# KiCad board Wrap030-ITX.kicad_pcb (continued)
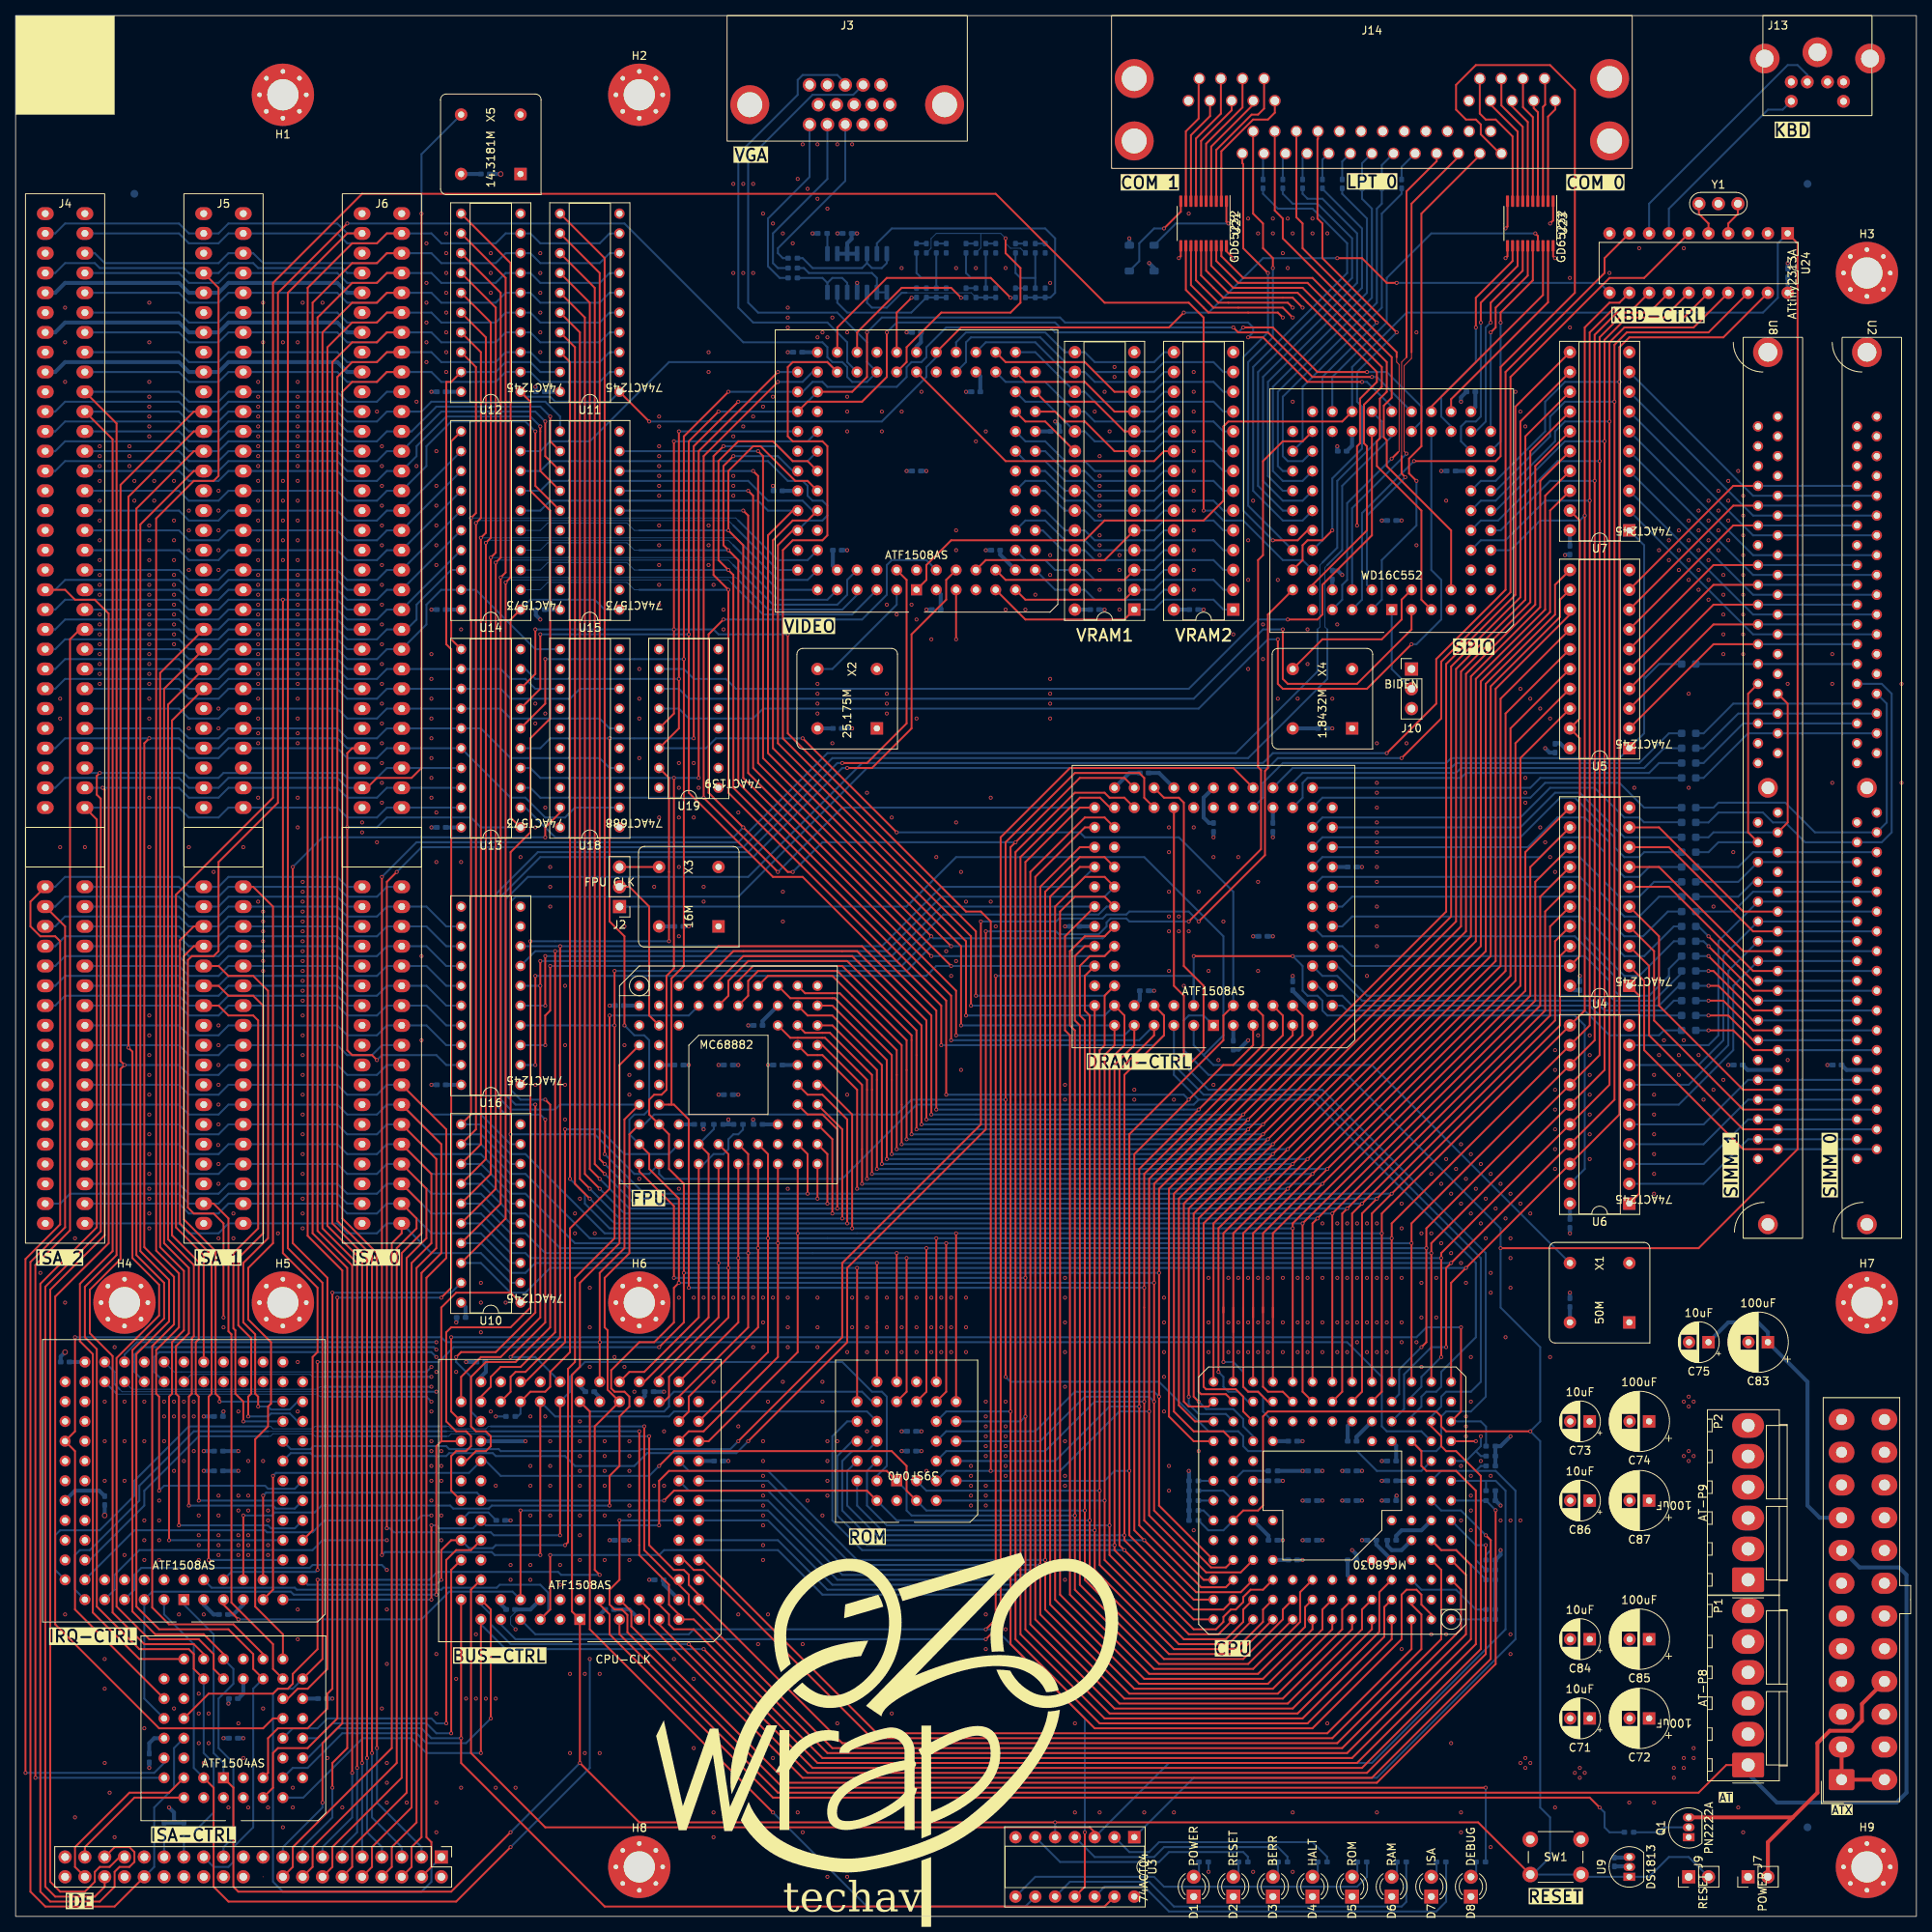
[diagram p0: board, top side]
## Placement (name value [footprint] x y rotation side) (continued)
U10  74ACT245  [DIP-20_W7.62mm_Socket#2]  64.77 78.74 180 top
U11  74ACT245  [DIP-20_W7.62mm_Socket#2]  77.47 195.58 180 top
U12  74ACT245  [DIP-20_W7.62mm_Socket#2]  64.77 195.58 180 top
U13  74ACT573  [DIP-20_W7.62mm_Socket#2]  64.77 139.7 180 top
U14  74ACT573  [DIP-20_W7.62mm_Socket#2]  64.77 167.64 180 top
U15  74ACT573  [DIP-20_W7.62mm_Socket#2]  77.47 167.64 180 top
U16  74ACT245  [DIP-20_W7.62mm_Socket#2]  64.77 106.68 180 top
U17  ATF1504AS  [PLCC-44_THT-Socket]  26.67 17.78 180 top
U18  74ACT688  [DIP-20_W7.62mm_Socket#2]  77.47 139.7 180 top
U19  74ACT139  [DIP-16_W7.62mm_Socket]  90.17 144.78 180 top
U20  WD16C552  [PLCC-68_THT-Socket]  176.53 167.64 180 top
U21  GD65232  [TSSOP-20_4.4x6.5mm_P0.65mm]  152.4 217.17 270 top
U23  GD65232  [TSSOP-20_4.4x6.5mm_P0.65mm]  194.31 217.17 270 top
U24  ATtiny2313A  [DIP-20_W7.62mm]  227.33 215.9 270 top
U32  ATF1508AS  [PLCC-84_THT-Socket]  21.59 40.64 180 top
VBUF1  ADA4891-4  [SOIC-14_3.9x8.7mm_P1.27mm]  107.95 210.82 270 bottom
VGEN1  ATF1508AS  [PLCC-84_THT-Socket]  115.57 170.18 180 top
VRAM1  CY62256-70PC  [DIP-28_W7.62mm_Socket]  143.51 167.64 180 top
VRAM2  CY62256-70PC  [DIP-28_W7.62mm_Socket]  156.21 167.64 180 top
X1  50M  [Oscillator_DIP-8]  207.01 76.2 90 top
X2  25.175M  [Oscillator_DIP-8]  110.49 152.4 90 top
X3  16M  [Oscillator_DIP-8]  90.17 127 90 top
X4  1.8432M  [Oscillator_DIP-8]  171.45 152.4 90 top
X5  14.3181M  [Oscillator_DIP-8]  64.77 223.52 90 top
Y1  16M  [Resonator-3Pin_W7.0mm_H2.5mm]  215.94 219.71 0 top

## Library data of the parts
C1-C12 C14 C16 C17 C20-C39 C43-C50 C52-C63 C66 C68-C70 C76-C82 C88-C91 C101 C110 C112-C117 = -: Description: Unpolarized capacitor, small symbol; JLC-Part: https://jlcpcb.com/partdetail/1877-CL05B104KO5NNNC/C1525
C13 C15 C18 C19 C40-C42 C51 C64 C65 C67 C92 C111 = -: Description: Unpolarized capacitor, small symbol; JLC-Part: https://jlcpcb.com/partdetail/53938-CL05A105KA5NQNC/C52923
C71-C75 C83-C87 = -: Description: Polarized capacitor, US symbol
C93-C100 = -: Description: Unpolarized capacitor, small symbol; JLC-Part: https://jlcpcb.com/partdetail/1883-0402B222K500NT/C1531
CPU1 = -: Description: Second-Generation 32-bit Enhanced Microprocessor
D1-D8 = -: Description: Light emitting diode
D9 D10 = -: Description: 400V 1A General Purpose Rectifier Diode, DO-41; JLC-Part: https://jlcpcb.com/partdetail/st_semtech-1N4148W/C81598; Sim.Device: D; Sim.Pins: 1=K 2=A
FID1-FID3 = -: Description: Fiducial Marker
H1-H9 = -: Description: Mounting Hole with connection
IDE0 = -: Description: Generic connector, double row, 02x20, odd/even pin numbering scheme (row 1 odd numbers, row 2 even numbers), script generated (kicad-library-utils/schlib/autogen/connector/)
J2 J10 = -: Description: Generic connector, single row, 01x03, script generated (kicad-library-utils/schlib/autogen/connector/)
J3 = -: Description: 15-pin female receptacle socket D-SUB connector, High density (3 columns), Triple Row, Generic, VGA-connector, Mounting Hole; Mouser-Part: 587-634-015-263-030
J4-J6 = -: Description: 16-bit ISA-AT bus connector
J7 J9 = -: Description: Generic connector, single row, 01x02, script generated (kicad-library-utils/schlib/autogen/connector/)
J8 = -: Description: ATX Power supply 24pins
J13 = -: Description: 6-pin miniDIN connector with Shield connection; Mouser-Part: 571-5749266-1
J14 = -: Description: 9, 9, 25 Position D-Sub - Stacked Plug, Male Pins; Receptacle, Female Sockets Connector
P1 P2 = -: Description: Generic connector, single row, 01x06, script generated (kicad-library-utils/schlib/autogen/connector/)
Q1 = -: Description: NPN transistor, emitter/base/collector
R1-R3 = -: Description: Resistor, small US symbol; JLC-Part: https://jlcpcb.com/partdetail/26487-0402WGF1002TCE/C25744
R4-R12 = -: Description: Resistor, small US symbol; JLC-Part: https://jlcpcb.com/partdetail/25834-0402WGF2200TCE/C25091
R13-R30 R52-R75 = -: Description: Resistor, small US symbol; JLC-Part: https://jlcpcb.com/partdetail/12256-0402WGF1001TCE/C11702
R31-R51 = -: Description: Resistor, small US symbol; JLC-Part: https://jlcpcb.com/partdetail/23867-0603WAF330JT5E/C23140
R76-R79 = -: Description: Resistor, small US symbol; JLC-Part: https://jlcpcb.com/partdetail/25876-0402WGF750JTCE/C25133
ROM1 = -: Description: Silicon Storage Technology (SSF) 512k x 8 Flash ROM
SW1 = -: Description: Push button switch, generic, two pins
U2 U8 = -: Description: 72-Pin SIMM Connector
U3 = -: Description: Hex Inverter
U4-U7 U10-U12 U16 = -: Description: Octal BUS Transceivers, 3-State outputs
U9 = -: Description: 5V EconoReset with Pushbutton support; Mouser-Part: 700-DS1813-5T&R
U13-U15 = -: Description: 8-bit Latch 3-state outputs
U17 = -: Description: CPLD 64 Logic Cells
U18 = -: Description: 8-bit magnitude comparator
U19 = -: Description: Dual Decoder 1 of 4, Active low outputs
U20 = -: Description: Dual Enhanced Asynchronous Communications Element (ACE) with Parallel Port
U21 U23 = -: Description: Multiple RS-232 Driver and Receiver, TSSOP-20
U24 = -: Description: 20MHz, 2kB Flash, 128B SRAM, 128B EEPROM, debugWIRE, DIP-20; Mouser-Part: 556-ATTINY2313A-PU
VBUF1 = -: Description: Low Cost CMOS, High Speed, Rail-to-Rail Amplifier (Quad)
VRAM1 VRAM2 = -: Description: 256K (32K x 8) Static RAM, 70ns, DIP-28
X1-X4 = -: Description: Crystal Clock Oscillator, DIP8-style metal package
X5 = -: Description: Crystal Clock Oscillator, DIP8-style metal package; Mouser-Part: ECS-2100AX-14.31818MHZ
Y1 = -: Description: Three pin ceramic resonator, small symbol

## Footprints (pads in the part's own frame, mm; a bottom-side part is the same pattern mirrored in y, then rotated)
C_0402_1005Metric_Pad0.74x0.62mm_HandSolder
  rrect 0.735x0.62 smd: 1(-0.568,0) 2(0.568,0)
CP_Radial_D5.0mm_P2.50mm
  rect 1.6x1.6 hole 0.8: 1(0,0)
  round 1.6 hole 0.8: 2(2.5,0)
CP_Radial_D7.5mm_P2.50mm
  rect 1.6x1.6 hole 0.8: 1(0,0)
  round 1.6 hole 0.8: 2(2.5,0)
D_SOD-123
  rrect 0.9x1.2 smd: 1(-1.65,0) 2(1.65,0)
DE15-HD
  round 5 hole 3.2: 0(-12.495,-11.43) 0(12.495,-11.43)
  round 1.75 hole 1.1: 1(-4.83,-13.97) 2(-2.54,-13.97) 3(-0.25,-13.97) 4(2.04,-13.97) 5(4.33,-13.97) 6(-3.685,-11.43) 7(-1.395,-11.43) 8(0.895,-11.43) 9(3.185,-11.43) 10(5.475,-11.43) 11(-4.83,-8.89) 12(-2.54,-8.89) 13(-0.25,-8.89) 14(2.04,-8.89) 15(4.33,-8.89)
DIP-14_W7.62mm_Socket
  rect 1.6x1.6 hole 0.8: 1(0,0)
  oval 1.6x1.6 hole 0.8: 2(0,-2.54) 3(0,-5.08) 4(0,-7.62) 5(0,-10.16) 6(0,-12.7) 7(0,-15.24) 8(7.62,-15.24) 9(7.62,-12.7) 10(7.62,-10.16) 11(7.62,-7.62) 12(7.62,-5.08) 13(7.62,-2.54) 14(7.62,0)
DIP-16_W7.62mm_Socket
  round 1.321 hole 0.813: 1(0,0) 2(0,-2.54) 3(0,-5.08) 4(0,-7.62) 5(0,-10.16) 6(0,-12.7) 7(0,-15.24) 8(0,-17.78) 9(7.62,-17.78) 10(7.62,-15.24) 11(7.62,-12.7) 12(7.62,-10.16) 13(7.62,-7.62) 14(7.62,-5.08) 15(7.62,-2.54) 16(7.62,0)
DIP-20_W7.62mm
  rect 1.6x1.6 hole 0.8: 1(0,0)
  oval 1.6x1.6 hole 0.8: 2(0,-2.54) 3(0,-5.08) 4(0,-7.62) 5(0,-10.16) 6(0,-12.7) 7(0,-15.24) 8(0,-17.78) 9(0,-20.32) 10(0,-22.86) 11(7.62,-22.86) 12(7.62,-20.32) 13(7.62,-17.78) 14(7.62,-15.24) 15(7.62,-12.7) 16(7.62,-10.16) 17(7.62,-7.62) 18(7.62,-5.08) 19(7.62,-2.54) 20(7.62,0)
DIP-20_W7.62mm_Socket
  rect 1.6x1.6 hole 0.8: 1(0,0)
  oval 1.6x1.6 hole 0.8: 2(0,-2.54) 3(0,-5.08) 4(0,-7.62) 5(0,-10.16) 6(0,-12.7) 7(0,-15.24) 8(0,-17.78) 9(0,-20.32) 10(0,-22.86) 11(7.62,-22.86) 12(7.62,-20.32) 13(7.62,-17.78) 14(7.62,-15.24) 15(7.62,-12.7) 16(7.62,-10.16) 17(7.62,-7.62) 18(7.62,-5.08) 19(7.62,-2.54) 20(7.62,0)
DIP-20_W7.62mm_Socket#2
  round 1.321 hole 0.813: 1(0,0) 2(0,-2.54) 3(0,-5.08) 4(0,-7.62) 5(0,-10.16) 6(0,-12.7) 7(0,-15.24) 8(0,-17.78) 9(0,-20.32) 10(0,-22.86) 11(7.62,-22.86) 12(7.62,-20.32) 13(7.62,-17.78) 14(7.62,-15.24) 15(7.62,-12.7) 16(7.62,-10.16) 17(7.62,-7.62) 18(7.62,-5.08) 19(7.62,-2.54) 20(7.62,0)
DIP-28_W7.62mm_Socket
  rect 1.6x1.6 hole 0.8: 1(0,0)
  oval 1.6x1.6 hole 0.8: 2(0,-2.54) 3(0,-5.08) 4(0,-7.62) 5(0,-10.16) 6(0,-12.7) 7(0,-15.24) 8(0,-17.78) 9(0,-20.32) 10(0,-22.86) 11(0,-25.4) 12(0,-27.94) 13(0,-30.48) 14(0,-33.02) 15(7.62,-33.02) 16(7.62,-30.48) 17(7.62,-27.94) 18(7.62,-25.4) 19(7.62,-22.86) 20(7.62,-20.32) 21(7.62,-17.78) 22(7.62,-15.24) 23(7.62,-12.7) 24(7.62,-10.16) 25(7.62,-7.62) 26(7.62,-5.08) 27(7.62,-2.54) 28(7.62,0)
Fiducial_1mm_Mask2mm
  round 1 smd: (0,0)
ISA16
  oval 2.159x1.651 hole 0.889: 1(0,0) 2(0,-2.54) 3(0,-5.08) 4(0,-7.62) 5(0,-10.16) 6(0,-12.7) 7(0,-15.24) 8(0,-17.78) 9(0,-20.32) 10(0,-22.86) 11(0,-25.4) 12(0,-27.94) 13(0,-30.48) 14(0,-33.02) 15(0,-35.56) 16(0,-38.1) 17(0,-40.64) 18(0,-43.18) 19(0,-45.72) 20(0,-48.26) 21(0,-50.8) 22(0,-53.34) 23(0,-55.88) 24(0,-58.42) 25(0,-60.96) 26(0,-63.5) 27(0,-66.04) 28(0,-68.58) 29(0,-71.12) 30(0,-73.66) 31(0,-76.2) 32(5.08,0) 33(5.08,-2.54) 34(5.08,-5.08) 35(5.08,-7.62) 36(5.08,-10.16) 37(5.08,-12.7) 38(5.08,-15.24) 39(5.08,-17.78) 40(5.08,-20.32) 41(5.08,-22.86) 42(5.08,-25.4) 43(5.08,-27.94) 44(5.08,-30.48) 45(5.08,-33.02) 46(5.08,-35.56) 47(5.08,-38.1) 48(5.08,-40.64) 49(5.08,-43.18) 50(5.08,-45.72) 51(5.08,-48.26) 52(5.08,-50.8) 53(5.08,-53.34) 54(5.08,-55.88) 55(5.08,-58.42) 56(5.08,-60.96) 57(5.08,-63.5) 58(5.08,-66.04) 59(5.08,-68.58) 60(5.08,-71.12) 61(5.08,-73.66) 62(5.08,-76.2) 63(0,-86.36) 64(0,-88.9) 65(0,-91.44) 66(0,-93.98) 67(0,-96.52) 68(0,-99.06) 69(0,-101.6) 70(0,-104.14) 71(0,-106.68) 72(0,-109.22) 73(0,-111.76) 74(0,-114.3) 75(0,-116.84) 76(0,-119.38) 77(0,-121.92) 78(0,-124.46) 79(0,-127) 80(0,-129.54) 81(5.08,-86.36) 82(5.08,-88.9) 83(5.08,-91.44) 84(5.08,-93.98) 85(5.08,-96.52) 86(5.08,-99.06) 87(5.08,-101.6) 88(5.08,-104.14) 89(5.08,-106.68) 90(5.08,-109.22) 91(5.08,-111.76) 92(5.08,-114.3) 93(5.08,-116.84) 94(5.08,-119.38) 95(5.08,-121.92) 96(5.08,-124.46) 97(5.08,-127) 98(5.08,-129.54)
L17H26R0121
  round 5 hole 3.2: 0(-30.49,-8.08) 0(-30.49,-16.08) 0(30.49,-8.08) 0(30.49,-16.08)
  round 1.5 hole 1.1: A1(23.53,-10.92) A2(20.76,-10.92) A3(17.99,-10.92) A4(15.22,-10.92) A5(12.45,-10.92) A6(22.15,-8.08) A7(19.38,-8.08) A8(16.61,-8.08) A9(13.84,-8.08) B1(-12.45,-10.92) B2(-15.22,-10.92) B3(-17.99,-10.92) B4(-20.76,-10.92) B5(-23.53,-10.92) B6(-13.83,-8.08) B7(-16.6,-8.08) B8(-19.37,-8.08) B9(-22.14,-8.08) C1(-16.62,-17.68) C2(-13.85,-17.68) C3(-11.08,-17.68) C4(-8.31,-17.68) C5(-5.54,-17.68) C6(-2.77,-17.68) C7(0,-17.68) C8(2.77,-17.68) C9(5.54,-17.68) C10(8.31,-17.68) C11(11.08,-17.68) C12(13.85,-17.68) C13(16.62,-17.68) C14(-15.23,-14.84) C15(-12.46,-14.84) C16(-9.69,-14.84) C17(-6.92,-14.84) C18(-4.15,-14.84) C19(-1.38,-14.84) C20(1.39,-14.84) C21(4.16,-14.84) C22(6.93,-14.84) C23(9.7,-14.84) C24(12.47,-14.84) C25(15.24,-14.84)
LED_D3.0mm
  rect 1.8x1.8 hole 0.9: 1(0,0)
  round 1.8 hole 0.9: 2(2.54,0)
MiniDIN6
  round 3.81 hole 2.286: 0(-6.756,-5.512) 0(0,-4.699) 0(6.756,-5.512)
  round 1.651 hole 0.889: 1(-1.295,-8.509) 2(1.295,-8.509) 3(-3.353,-8.509) 4(3.353,-8.509) 5(-3.353,-10.998) 6(3.353,-10.998)
Molex_KK-396_A-41791-0006_1x06_P3.96mm_Vertical
  rrect 3.16x4.1 hole 1.7: 1(0,0)
  oval 3.16x4.1 hole 1.7: 2(3.96,0) 3(7.92,0) 4(11.88,0) 5(15.84,0) 6(19.8,0)
Molex_Mini-Fit_Jr_5566-24A_2x12_P4.20mm_Vertical
  rrect 2.7x3.3 hole 1.4: 1(0,0)
  oval 2.7x3.3 hole 1.4: 2(4.2,0) 3(8.4,0) 4(12.6,0) 5(16.8,0) 6(21,0) 7(25.2,0) 8(29.4,0) 9(33.6,0) 10(37.8,0) 11(42,0) 12(46.2,0) 13(0,-5.5) 14(4.2,-5.5) 15(8.4,-5.5) 16(12.6,-5.5) 17(16.8,-5.5) 18(21,-5.5) 19(25.2,-5.5) 20(29.4,-5.5) 21(33.6,-5.5) 22(37.8,-5.5) 23(42,-5.5) 24(46.2,-5.5)
MountingHole_4mm_Pad_Via
  round 0.9 hole 0.6: 1(-3,0) 1(-2.121,2.121) 1(-2.121,-2.121) 1(0,3) 1(0,-3) 1(2.121,2.121) 1(2.121,-2.121) 1(3,0)
  round 8 hole 4: 1(0,0)
Oscillator_DIP-8
  rect 1.6x1.6 hole 0.8: 1(0,0)
  round 1.6 hole 0.8: 4(7.62,0) 5(7.62,7.62) 8(0,7.62)
PGA68
  round 1.321 hole 0.813: A1(-11.43,11.43) A2(-8.89,11.43) A3(-6.35,11.43) A4(-3.81,11.43) A5(-1.27,11.43) A6(1.27,11.43) A7(3.81,11.43) A8(6.35,11.43) A9(8.89,11.43) A10(11.43,11.43) B1(-11.43,8.89) B2(-8.89,8.89) B3(-6.35,8.89) B4(-3.81,8.89) B5(-1.27,8.89) B6(1.27,8.89) B7(3.81,8.89) B8(6.35,8.89) B9(8.89,8.89) B10(11.43,8.89) C1(-11.43,6.35) C2(-8.89,6.35) C3(-6.35,6.35) C8(6.35,6.35) C9(8.89,6.35) C10(11.43,6.35) D1(-11.43,3.81) D2(-8.89,3.81) D9(8.89,3.81) D10(11.43,3.81) E1(-11.43,1.27) E2(-8.89,1.27) E9(8.89,1.27) E10(11.43,1.27) F1(-11.43,-1.27) F2(-8.89,-1.27) F9(8.89,-1.27) F10(11.43,-1.27) G1(-11.43,-3.81) G2(-8.89,-3.81) G9(8.89,-3.81) G10(11.43,-3.81) H1(-11.43,-6.35) H2(-8.89,-6.35) H3(-6.35,-6.35) H8(6.35,-6.35) H9(8.89,-6.35) H10(11.43,-6.35) J1(-11.43,-8.89) J2(-8.89,-8.89) J3(-6.35,-8.89) J4(-3.81,-8.89) J5(-1.27,-8.89) J6(1.27,-8.89) J7(3.81,-8.89) J8(6.35,-8.89) J9(8.89,-8.89) J10(11.43,-8.89) K1(-11.43,-11.43) K2(-8.89,-11.43) K3(-6.35,-11.43) K4(-3.81,-11.43) K5(-1.27,-11.43) K6(1.27,-11.43) K7(3.81,-11.43) K8(6.35,-11.43) K9(8.89,-11.43) K10(11.43,-11.43)
PGA128
  round 1.27 hole 0.762: A1(-15.24,15.24) A2(-12.7,15.24) A3(-10.16,15.24) A4(-7.62,15.24) A5(-5.08,15.24) A6(-2.54,15.24) A7(0,15.24) A8(2.54,15.24) A9(5.08,15.24) A10(7.62,15.24) A11(10.16,15.24) A12(12.7,15.24) A13(15.24,15.24) B1(-15.24,12.7) B2(-12.7,12.7) B3(-10.16,12.7) B4(-7.62,12.7) B5(-5.08,12.7) B6(-2.54,12.7) B7(0,12.7) B8(2.54,12.7) B9(5.08,12.7) B10(7.62,12.7) B11(10.16,12.7) B12(12.7,12.7) B13(15.24,12.7) C1(-15.24,10.16) C2(-12.7,10.16) C3(-10.16,10.16) C4(-7.62,10.16) C5(-5.08,10.16) C6(-2.54,10.16) C7(0,10.16) C8(2.54,10.16) C9(5.08,10.16) C10(7.62,10.16) C11(10.16,10.16) C12(12.7,10.16) C13(15.24,10.16) D1(-15.24,7.62) D2(-12.7,7.62) D3(-10.16,7.62) D4(-7.62,7.62) D5(-5.08,7.62) D10(7.62,7.62) D11(10.16,7.62) D12(12.7,7.62) D13(15.24,7.62) E1(-15.24,5.08) E2(-12.7,5.08) E3(-10.16,5.08) E11(10.16,5.08) E12(12.7,5.08) E13(15.24,5.08) F1(-15.24,2.54) F2(-12.7,2.54) F3(-10.16,2.54) F4(-7.62,2.54) F10(7.62,2.54) F11(10.16,2.54) F12(12.7,2.54) F13(15.24,2.54) G1(-15.24,0) G2(-12.7,0) G3(-10.16,0) G11(10.16,0) G12(12.7,0) G13(15.24,0) H1(-15.24,-2.54) H2(-12.7,-2.54) H3(-10.16,-2.54) H11(10.16,-2.54) H12(12.7,-2.54) H13(15.24,-2.54) J1(-15.24,-5.08) J2(-12.7,-5.08) J3(-10.16,-5.08) J11(10.16,-5.08) J12(12.7,-5.08) J13(15.24,-5.08) K1(-15.24,-7.62) K2(-12.7,-7.62) K3(-10.16,-7.62) K4(-7.62,-7.62) K5(-5.08,-7.62) K10(7.62,-7.62) K11(10.16,-7.62) K12(12.7,-7.62) K13(15.24,-7.62) L1(-15.24,-10.16) L2(-12.7,-10.16) L3(-10.16,-10.16) L4(-7.62,-10.16) L5(-5.08,-10.16) L6(-2.54,-10.16) L7(0,-10.16) L8(2.54,-10.16) L9(5.08,-10.16) L10(7.62,-10.16) L11(10.16,-10.16) L12(12.7,-10.16) L13(15.24,-10.16) M1(-15.24,-12.7) M2(-12.7,-12.7) M3(-10.16,-12.7) M4(-7.62,-12.7) M5(-5.08,-12.7) M6(-2.54,-12.7) M7(0,-12.7) M8(2.54,-12.7) M9(5.08,-12.7) M10(7.62,-12.7) M11(10.16,-12.7) M12(12.7,-12.7) M13(15.24,-12.7) N1(-15.24,-15.24) N2(-12.7,-15.24) N3(-10.16,-15.24) N4(-7.62,-15.24) N5(-5.08,-15.24) N6(-2.54,-15.24) N7(0,-15.24) N8(2.54,-15.24) N9(5.08,-15.24) N10(7.62,-15.24) N11(10.16,-15.24) N12(12.7,-15.24) N13(15.24,-15.24)
PinHeader_1x02_P2.54mm_Vertical
  rect 1.7x1.7 hole 1: 1(0,0)
  oval 1.7x1.7 hole 1: 2(0,-2.54)
PinHeader_1x03_P2.54mm_Vertical
  rect 1.7x1.7 hole 1: 1(0,0)
  oval 1.7x1.7 hole 1: 2(0,-2.54) 3(0,-5.08)
PinHeader_2x20_P2.54mm_Vertical
  rect 1.7x1.7 hole 1: 1(0,0)
  oval 1.7x1.7 hole 1: 2(2.54,0) 3(0,-2.54) 4(2.54,-2.54) 5(0,-5.08) 6(2.54,-5.08) 7(0,-7.62) 8(2.54,-7.62) 9(0,-10.16) 10(2.54,-10.16) 11(0,-12.7) 12(2.54,-12.7) 13(0,-15.24) 14(2.54,-15.24) 15(0,-17.78) 16(2.54,-17.78) 17(0,-20.32) 18(2.54,-20.32) 19(0,-22.86) 21(0,-25.4) 22(2.54,-25.4) 23(0,-27.94) 24(2.54,-27.94) 25(0,-30.48) 26(2.54,-30.48) 27(0,-33.02) 28(2.54,-33.02) 29(0,-35.56) 30(2.54,-35.56) 31(0,-38.1) 32(2.54,-38.1) 33(0,-40.64) 34(2.54,-40.64) 35(0,-43.18) 36(2.54,-43.18) 37(0,-45.72) 38(2.54,-45.72) 39(0,-48.26) 40(2.54,-48.26)
  round 0.127 smd: 20(2.54,-22.86)
PLCC-32_THT-Socket
  rect 1.422x1.422 hole 0.8: 1(0,0)
  round 1.422 hole 0.8: 2(-2.54,2.54) 3(-2.54,0) 4(-5.08,2.54) 5(-7.62,0) 6(-5.08,0) 7(-7.62,-2.54) 8(-5.08,-2.54) 9(-7.62,-5.08) 10(-5.08,-5.08) 11(-7.62,-7.62) 12(-5.08,-7.62) 13(-7.62,-10.16) 14(-5.08,-12.7) 15(-5.08,-10.16) 16(-2.54,-12.7) 17(-2.54,-10.16) 18(0,-12.7) 19(0,-10.16) 20(2.54,-12.7) 21(5.08,-10.16) 22(2.54,-10.16) 23(5.08,-7.62) 24(2.54,-7.62) 25(5.08,-5.08) 26(2.54,-5.08) 27(5.08,-2.54) 28(2.54,-2.54) 29(5.08,0) 30(2.54,2.54) 31(2.54,0) 32(0,2.54)
PLCC-44_THT-Socket
  rect 1.422x1.422 hole 0.8: 1(0,0)
  round 1.422 hole 0.8: 2(-2.54,2.54) 3(-2.54,0) 4(-5.08,2.54) 5(-5.08,0) 6(-7.62,2.54) 7(-10.16,0) 8(-7.62,0) 9(-10.16,-2.54) 10(-7.62,-2.54) 11(-10.16,-5.08) 12(-7.62,-5.08) 13(-10.16,-7.62) 14(-7.62,-7.62) 15(-10.16,-10.16) 16(-7.62,-10.16) 17(-10.16,-12.7) 18(-7.62,-15.24) 19(-7.62,-12.7) 20(-5.08,-15.24) 21(-5.08,-12.7) 22(-2.54,-15.24) 23(-2.54,-12.7) 24(0,-15.24) 25(0,-12.7) 26(2.54,-15.24) 27(2.54,-12.7) 28(5.08,-15.24) 29(7.62,-12.7) 30(5.08,-12.7) 31(7.62,-10.16) 32(5.08,-10.16) 33(7.62,-7.62) 34(5.08,-7.62) 35(7.62,-5.08) 36(5.08,-5.08) 37(7.62,-2.54) 38(5.08,-2.54) 39(7.62,0) 40(5.08,2.54) 41(5.08,0) 42(2.54,2.54) 43(2.54,0) 44(0,2.54)
PLCC-68_THT-Socket
  rect 1.422x1.422 hole 0.8: 1(0,0)
  round 1.422 hole 0.8: 2(0,-2.54) 3(-2.54,0) 4(-2.54,-2.54) 5(-5.08,0) 6(-5.08,-2.54) 7(-7.62,0) 8(-7.62,-2.54) 9(-10.16,0) 10(-12.7,-2.54) 11(-10.16,-2.54) 12(-12.7,-5.08) 13(-10.16,-5.08) 14(-12.7,-7.62) 15(-10.16,-7.62) 16(-12.7,-10.16) 17(-10.16,-10.16) 18(-12.7,-12.7) 19(-10.16,-12.7) 20(-12.7,-15.24) 21(-10.16,-15.24) 22(-12.7,-17.78) 23(-10.16,-17.78) 24(-12.7,-20.32) 25(-10.16,-20.32) 26(-12.7,-22.86) 27(-10.16,-25.4) 28(-10.16,-22.86) 29(-7.62,-25.4) 30(-7.62,-22.86) 31(-5.08,-25.4) 32(-5.08,-22.86) 33(-2.54,-25.4) 34(-2.54,-22.86) 35(0,-25.4) 36(0,-22.86) 37(2.54,-25.4) 38(2.54,-22.86) 39(5.08,-25.4) 40(5.08,-22.86) 41(7.62,-25.4) 42(7.62,-22.86) 43(10.16,-25.4) 44(12.7,-22.86) 45(10.16,-22.86) 46(12.7,-20.32) 47(10.16,-20.32) 48(12.7,-17.78) 49(10.16,-17.78) 50(12.7,-15.24) 51(10.16,-15.24) 52(12.7,-12.7) 53(10.16,-12.7) 54(12.7,-10.16) 55(10.16,-10.16) 56(12.7,-7.62) 57(10.16,-7.62) 58(12.7,-5.08) 59(10.16,-5.08) 60(12.7,-2.54) 61(10.16,0) 62(10.16,-2.54) 63(7.62,0) 64(7.62,-2.54) 65(5.08,0) 66(5.08,-2.54) 67(2.54,0) 68(2.54,-2.54)
PLCC-84_THT-Socket
  rect 1.422x1.422 hole 0.8: 1(0,0)
  round 1.422 hole 0.8: 2(0,-2.54) 3(-2.54,0) 4(-2.54,-2.54) 5(-5.08,0) 6(-5.08,-2.54) 7(-7.62,0) 8(-7.62,-2.54) 9(-10.16,0) 10(-10.16,-2.54) 11(-12.7,0) 12(-15.24,-2.54) 13(-12.7,-2.54) 14(-15.24,-5.08) 15(-12.7,-5.08) 16(-15.24,-7.62) 17(-12.7,-7.62) 18(-15.24,-10.16) 19(-12.7,-10.16) 20(-15.24,-12.7) 21(-12.7,-12.7) 22(-15.24,-15.24) 23(-12.7,-15.24) 24(-15.24,-17.78) 25(-12.7,-17.78) 26(-15.24,-20.32) 27(-12.7,-20.32) 28(-15.24,-22.86) 29(-12.7,-22.86) 30(-15.24,-25.4) 31(-12.7,-25.4) 32(-15.24,-27.94) 33(-12.7,-30.48) 34(-12.7,-27.94) 35(-10.16,-30.48) 36(-10.16,-27.94) 37(-7.62,-30.48) 38(-7.62,-27.94) 39(-5.08,-30.48) 40(-5.08,-27.94) 41(-2.54,-30.48) 42(-2.54,-27.94) 43(0,-30.48) 44(0,-27.94) 45(2.54,-30.48) 46(2.54,-27.94) 47(5.08,-30.48) 48(5.08,-27.94) 49(7.62,-30.48) 50(7.62,-27.94) 51(10.16,-30.48) 52(10.16,-27.94) 53(12.7,-30.48) 54(15.24,-27.94) 55(12.7,-27.94) 56(15.24,-25.4) 57(12.7,-25.4) 58(15.24,-22.86) 59(12.7,-22.86) 60(15.24,-20.32) 61(12.7,-20.32) 62(15.24,-17.78) 63(12.7,-17.78) 64(15.24,-15.24) 65(12.7,-15.24) 66(15.24,-12.7) 67(12.7,-12.7) 68(15.24,-10.16) 69(12.7,-10.16) 70(15.24,-7.62) 71(12.7,-7.62) 72(15.24,-5.08) 73(12.7,-5.08) 74(15.24,-2.54) 75(12.7,0) 76(12.7,-2.54) 77(10.16,0) 78(10.16,-2.54) 79(7.62,0) 80(7.62,-2.54) 81(5.08,0) 82(5.08,-2.54) 83(2.54,0) 84(2.54,-2.54)
R_0402_1005Metric_Pad0.72x0.64mm_HandSolder
  rrect 0.715x0.64 smd: 1(-0.598,0) 2(0.598,0)
R_0603_1608Metric_Pad0.98x0.95mm_HandSolder
  rrect 0.975x0.95 smd: 1(-0.912,0) 2(0.912,0)
Resonator-3Pin_W7.0mm_H2.5mm
  round 1.7 hole 1: 1(0,0) 2(2.5,0) 3(5,0)
SIMM72
  round 3.81 hole 2.413: (-55.88,0)
  round 2.54 hole 1.626: (0,0) (56.007,0)
  round 1.321 hole 0.813: 1(47.625,-1.27) 2(46.355,1.27) 3(45.085,-1.27) 4(43.815,1.27) 5(42.545,-1.27) 6(41.275,1.27) 7(40.005,-1.27) 8(38.735,1.27) 9(37.465,-1.27) 10(36.195,1.27) 11(34.925,-1.27) 12(33.655,1.27) 13(32.385,-1.27) 14(31.115,1.27) 15(29.845,-1.27) 16(28.575,1.27) 17(27.305,-1.27) 18(26.035,1.27) 19(24.765,-1.27) 20(23.495,1.27) 21(22.225,-1.27) 22(20.955,1.27) 23(19.685,-1.27) 24(18.415,1.27) 25(17.145,-1.27) 26(15.875,1.27) 27(14.605,-1.27) 28(13.335,1.27) 29(12.065,-1.27) 30(10.795,1.27) 31(9.525,-1.27) 32(8.255,1.27) 33(6.985,-1.27) 34(5.715,1.27) 35(4.445,-1.27) 36(3.175,1.27) 37(-3.175,-1.27) 38(-4.445,1.27) 39(-5.715,-1.27) 40(-6.985,1.27) 41(-8.255,-1.27) 42(-9.525,1.27) 43(-10.795,-1.27) 44(-12.065,1.27) 45(-13.335,-1.27) 46(-14.605,1.27) 47(-15.875,-1.27) 48(-17.145,1.27) 49(-18.415,-1.27) 50(-19.685,1.27) 51(-20.955,-1.27) 52(-22.225,1.27) 53(-23.495,-1.27) 54(-24.765,1.27) 55(-26.035,-1.27) 56(-27.305,1.27) 57(-28.575,-1.27) 58(-29.845,1.27) 59(-31.115,-1.27) 60(-32.385,1.27) 61(-33.655,-1.27) 62(-34.925,1.27) 63(-36.195,-1.27) 64(-37.465,1.27) 65(-38.735,-1.27) 66(-40.005,1.27) 67(-41.275,-1.27) 68(-42.545,1.27) 69(-43.815,-1.27) 70(-45.085,1.27) 71(-46.355,-1.27) 72(-47.625,1.27)
SOIC-14_3.9x8.7mm_P1.27mm
  rrect 1.95x0.6 smd: 1(-2.475,3.81) 2(-2.475,2.54) 3(-2.475,1.27) 4(-2.475,0) 5(-2.475,-1.27) 6(-2.475,-2.54) 7(-2.475,-3.81) 8(2.475,-3.81) 9(2.475,-2.54) 10(2.475,-1.27) 11(2.475,0) 12(2.475,1.27) 13(2.475,2.54) 14(2.475,3.81)
SW_PUSH_6mm
  round 2 hole 1.1: 1(0,0) 1(6.5,0) 2(0,-4.5) 2(6.5,-4.5)
TO-92_Inline
  rect 1.05x1.5 hole 0.75: 1(0,0)
  oval 1.05x1.5 hole 0.75: 2(1.27,0) 3(2.54,0)
TO-92L_Inline
  rect 1.05x1.5 hole 0.75: 1(0,0)
  oval 1.05x1.5 hole 0.75: 2(1.27,0) 3(2.54,0)
TSSOP-20_4.4x6.5mm_P0.65mm
  rrect 1.475x0.4 smd: 1(-2.862,2.925) 2(-2.862,2.275) 3(-2.862,1.625) 4(-2.862,0.975) 5(-2.862,0.325) 6(-2.862,-0.325) 7(-2.862,-0.975) 8(-2.862,-1.625) 9(-2.862,-2.275) 10(-2.862,-2.925) 11(2.862,-2.925) 12(2.862,-2.275) 13(2.862,-1.625) 14(2.862,-0.975) 15(2.862,-0.325) 16(2.862,0.325) 17(2.862,0.975) 18(2.862,1.625) 19(2.862,2.275) 20(2.862,2.925)

## Nets
+5VP: C75.1 C83.1 J8.9
+12V: C71.1 C72.1 D9.2 J4.9 J5.9 J6.9 J8.10 J8.11 P1.3
-5V: C86.2 C87.2 J4.5 J5.5 J6.5 P2.3
-12V: C84.2 C85.2 D10.1 J4.7 J5.7 J6.7 J8.14 P1.4
GND: C1.2 C2.2 C3.2 C4.2 C5.2 C6.2 C7.2 C8.2 C9.2 C10.2 C11.2 C12.2 C13.2 C14.2 C15.2 C16.2 C17.2 C18.2 C19.2 C20.2 C21.2 C22.2 C23.2 C24.2 C25.2 C26.2 C27.2 C28.2 C29.2 C30.2 C31.2 C32.2 C33.2 C34.2 C35.2 C36.2 C37.2 C38.2 C39.2 C40.2 C41.2 C42.2 C43.2 C44.2 C45.2 C46.2 C47.2 C48.2 C49.2 C50.2 C51.2 C52.2 C53.2 C54.2 C55.2 C56.2 C57.2 C58.2 C59.2 C60.2 C61.2 C62.2 C63.2 C64.2 C65.2 C66.2 C67.2 C68.2 C69.2 C70.2 C71.2 C72.2 C73.2 C74.2 C75.2 C76.2 C77.2 C78.2 C79.2 C80.2 C81.2 C82.2 C83.2 C84.1 C85.1 C86.1 C87.1 C88.2 C89.2 C90.2 C91.2 C92.2 C101.2 C110.2 C111.2 C112.2 C113.2 C114.2 C115.2 C116.2 C117.2 CPU1.C5 CPU1.C7 CPU1.C9 CPU1.E3 CPU1.E11 CPU1.F3 CPU1.G3 CPU1.G11 CPU1.J3 CPU1.J11 CPU1.L5 CPU1.L7 CPU1.L8 CPU1.L9 D1.1 D2.1 D3.1 D4.1 D5.1 D6.1 D7.1 D8.1 GLUE1.7 GLUE1.19 GLUE1.32 GLUE1.42 GLUE1.47 GLUE1.59 GLUE1.72 GLUE1.82 H1.1 H2.1 H3.1 H4.1 H5.1 H6.1 H7.1 H8.1 H9.1 IDE0.2 IDE0.19 IDE0.22 IDE0.24 IDE0.26 IDE0.30 IDE0.40 J3.0 J3.5 J3.6 J3.7 J3.8 J3.10 J4.1 J4.31 J4.80 J5.1 J5.31 J5.80 J6.1 J6.31 J6.80 J7.1 J8.3 J8.5 J8.7 J8.15 J8.17 J8.18 J8.19 J8.24 J9.1 J10.3 J13.0 J13.3 J14.0 J14.A5 J14.B5 J14.C18 J14.C19 J14.C20 J14.C21 J14.C22 J14.C23 J14.C24 J14.C25 P1.5 P1.6 P2.1 P2.2 Q1.1 R55.2 R59.2 R63.2 R67.2 R71.2 R75.2 RAMC1.7 RAMC1.19 RAMC1.32 RAMC1.42 RAMC1.47 RAMC1.59 RAMC1.72 RAMC1.82 ROM1.16 SW1.2 U1.A2 U1.A10 U1.B2 U1.B3 U1.B7 U1.C1 U1.C3 U1.D2 U1.E10 U1.F2 U1.H9 U1.J8 U1.K3 U2.1 U2.39 U2.72 U3.7 U4.10 U5.10 U6.10 U7.10 U8.1 U8.39 U8.72 U9.3 U10.10 U11.10 U12.10 U13.10 U14.10 U15.2 U15.3 U15.4 U15.5 U15.10 U16.9 U16.10 U17.10 U17.22 U17.30 U17.42 U18.1 U18.3 U18.10 U18.15 U18.16 U18.17 U18.18 U19.2 U19.3 U19.8 U20.2 U20.7 U20.43 U20.54 U21.11 U23.11 U24.10 U32.7 U32.19 U32.32 U32.42 U32.47 U32.59 U32.72 U32.82 VBUF1.11 VGEN1.7 VGEN1.19 VGEN1.32 VGEN1.42 VGEN1.47 VGEN1.59 VGEN1.72 VGEN1.82 VRAM1.14 VRAM2.14 X1.4 X2.4 X3.4 X4.4 X5.4 Y1.2
VCC: C1.1 C2.1 C3.1 C4.1 C5.1 C6.1 C7.1 C8.1 C9.1 C10.1 C11.1 C12.1 C13.1 C14.1 C15.1 C16.1 C17.1 C18.1 C19.1 C20.1 C21.1 C22.1 C23.1 C24.1 C25.1 C26.1 C27.1 C28.1 C29.1 C30.1 C31.1 C32.1 C33.1 C34.1 C35.1 C36.1 C37.1 C38.1 C39.1 C40.1 C41.1 C42.1 C43.1 C44.1 C45.1 C46.1 C47.1 C48.1 C49.1 C50.1 C51.1 C52.1 C53.1 C54.1 C55.1 C56.1 C57.1 C58.1 C59.1 C60.1 C61.1 C62.1 C63.1 C64.1 C65.1 C66.1 C67.1 C68.1 C69.1 C70.1 C73.1 C74.1 C76.1 C77.1 C78.1 C79.1 C80.1 C81.1 C82.1 C88.1 C89.1 C90.1 C91.1 C92.1 C101.1 C110.1 C111.1 C112.1 C113.1 C114.1 C115.1 C116.1 C117.1 CPU1.C6 CPU1.D4 CPU1.D10 CPU1.F2 CPU1.F11 CPU1.H3 CPU1.H11 CPU1.K4 CPU1.K10 CPU1.L6 GLUE1.3 GLUE1.13 GLUE1.26 GLUE1.38 GLUE1.43 GLUE1.53 GLUE1.66 GLUE1.78 J4.3 J4.29 J4.78 J5.3 J5.29 J5.78 J6.3 J6.29 J6.78 J8.4 J8.6 J8.21 J8.22 J8.23 J10.1 J13.4 P1.2 P2.4 P2.5 P2.6 R1.1 R2.1 R3.2 R5.1 R13.2 R14.2 R15.2 R16.2 R17.2 R18.2 R19.2 R20.2 R21.2 R22.2 R23.2 R24.2 R25.2 R26.2 R27.2 R28.2 R29.2 R30.2 R79.2 RAMC1.3 RAMC1.13 RAMC1.26 RAMC1.38 RAMC1.43 RAMC1.53 RAMC1.66 RAMC1.78 ROM1.32 U1.A1 U1.B1 U1.B8 U1.E2 U1.E9 U1.F1 U1.H3 U1.H8 U1.J2 U2.10 U2.30 U2.59 U3.14 U4.20 U5.20 U6.20 U7.20 U8.10 U8.30 U8.59 U9.2 U10.20 U11.20 U12.20 U13.20 U14.20 U15.20 U16.1 U16.20 U17.15 U17.23 U17.35 U18.5 U18.7 U18.9 U18.12 U18.14 U18.20 U19.1 U19.16 U20.23 U20.27 U20.40 U20.64 U21.20 U23.20 U24.20 U32.3 U32.13 U32.26 U32.38 U32.43 U32.53 U32.66 U32.78 VBUF1.2 VBUF1.3 VBUF1.4 VGEN1.3 VGEN1.13 VGEN1.26 VGEN1.38 VGEN1.43 VGEN1.53 VGEN1.66 VGEN1.78 VRAM1.28 VRAM2.28 X1.8 X2.8 X3.8 X4.8 X5.8
/Bus-Controller/BERR-LED: D3.2 R7.2
/Bus-Controller/BERR-LED-R: R7.1 U3.4
/Bus-Controller/DEBUG-LED: D8.2 R12.2
/Bus-Controller/DEBUG-LED-R: GLUE1.21 R12.1
/Bus-Controller/HALT-LED: D4.2 R8.2
/Bus-Controller/HALT-LED-R: R8.1 U3.2
/Bus-Controller/ISA-LED: D7.2 R11.2
/Bus-Controller/ISA-LED-R: R11.1 U3.12
/Bus-Controller/PWR-LED: D1.2 R5.2
/Bus-Controller/RAM-LED: D6.2 R10.2
/Bus-Controller/RAM-LED-R: R10.1 U3.10
/Bus-Controller/RESET-LED: D2.2 R6.2
/Bus-Controller/RESET-LED-R: R6.1 U3.6
/Bus-Controller/ROM-LED: D5.2 R9.2
/Bus-Controller/ROM-LED-R: R9.1 U3.8
/CPU-FPU/FPU-CLK: J2.2 U1.C2
/CPU-FPU/FPU-OSC: J2.3 X3.5
/Interrupts/IRQ-P0: U32.40
/ISA-IDE/ISA-A0: IDE0.35 J4.62 J5.62 J6.62 U13.19
/ISA-IDE/ISA-A1: IDE0.33 J4.61 J5.61 J6.61 U13.18
/ISA-IDE/ISA-A2: IDE0.36 J4.60 J5.60 J6.60 U13.17
/ISA-IDE/ISA-A3: J4.59 J5.59 J6.59 U13.16 U18.2
/ISA-IDE/ISA-A4: J4.58 J5.58 J6.58 U13.15 U18.4
/ISA-IDE/ISA-A5: J4.57 J5.57 J6.57 U13.14 U18.6
/ISA-IDE/ISA-A6: J4.56 J5.56 J6.56 U13.13 U18.8
/ISA-IDE/ISA-A7: J4.55 J5.55 J6.55 U13.12 U18.13
/ISA-IDE/ISA-A8: J4.54 J5.54 J6.54 U14.19 U18.11
/ISA-IDE/ISA-A9: J4.53 J5.53 J6.53 U14.18 U17.39
/ISA-IDE/ISA-A10: J4.52 J5.52 J6.52 U14.17
/ISA-IDE/ISA-A11: J4.51 J5.51 J6.51 U14.16
/ISA-IDE/ISA-A12: J4.50 J5.50 J6.50 U14.15
/ISA-IDE/ISA-A13: J4.49 J5.49 J6.49 U14.14
/ISA-IDE/ISA-A14: J4.48 J5.48 J6.48 U14.13
/ISA-IDE/ISA-A15: J4.47 J5.47 J6.47 U14.12
/ISA-IDE/ISA-A16: J4.46 J5.46 J6.46 U15.15
/ISA-IDE/ISA-A17: J4.45 J5.45 J6.45 U15.14
/ISA-IDE/ISA-A18: J4.44 J5.44 J6.44 U15.13
/ISA-IDE/ISA-A19: J4.43 J5.43 J6.43 U15.12
/ISA-IDE/ISA-AEN: J4.28 J5.28 J6.28 U13.1 U14.1 U15.1 U16.19 U17.20
/ISA-IDE/ISA-ALE: J4.42 J5.42 J6.42 U13.11 U14.11 U15.11 U17.28
/ISA-IDE/ISA-CLK: J4.20 J5.20 J6.20 U17.14
/ISA-IDE/ISA-D0: IDE0.3 J4.40 J5.40 J6.40 U11.2 U12.2
/ISA-IDE/ISA-D1: IDE0.5 J4.39 J5.39 J6.39 U11.3 U12.3
/ISA-IDE/ISA-D2: IDE0.7 J4.38 J5.38 J6.38 U11.4 U12.4
/ISA-IDE/ISA-D3: IDE0.9 J4.37 J5.37 J6.37 U11.5 U12.5
/ISA-IDE/ISA-D4: IDE0.11 J4.36 J5.36 J6.36 U11.6 U12.6
/ISA-IDE/ISA-D5: IDE0.13 J4.35 J5.35 J6.35 U11.7 U12.7
/ISA-IDE/ISA-D6: IDE0.15 J4.34 J5.34 J6.34 U11.8 U12.8
/ISA-IDE/ISA-D7: IDE0.17 J4.33 J5.33 J6.33 U11.9 U12.9
/ISA-IDE/ISA-D8: IDE0.4 J4.91 J5.91 J6.91 U10.9
/ISA-IDE/ISA-D9: IDE0.6 J4.92 J5.92 J6.92 U10.8
/ISA-IDE/ISA-D10: IDE0.8 J4.93 J5.93 J6.93 U10.7
/ISA-IDE/ISA-D11: IDE0.10 J4.94 J5.94 J6.94 U10.6
/ISA-IDE/ISA-D12: IDE0.12 J4.95 J5.95 J6.95 U10.5
/ISA-IDE/ISA-D13: IDE0.14 J4.96 J5.96 J6.96 U10.4
/ISA-IDE/ISA-D14: IDE0.16 J4.97 J5.97 J6.97 U10.3
/ISA-IDE/ISA-D15: IDE0.18 J4.98 J5.98 J6.98 U10.2
/ISA-IDE/ISA-IDE-Connectors/IDE-KEY: IDE0.20
/ISA-IDE/ISA-IDE-Connectors/~{IDE-DMACK}: IDE0.29 R2.2
/ISA-IDE/ISA-IORDY: IDE0.27 J4.41 J5.41 J6.41 R1.2 U17.27
/ISA-IDE/ISA-LA17: J4.88 J5.88 J6.88 U16.18
/ISA-IDE/ISA-LA18: J4.87 J5.87 J6.87 U16.17
/ISA-IDE/ISA-LA19: J4.86 J5.86 J6.86 U16.16
/ISA-IDE/ISA-LA20: J4.85 J5.85 J6.85 U16.15
/ISA-IDE/ISA-LA21: J4.84 J5.84 J6.84 U16.14
/ISA-IDE/ISA-LA22: J4.83 J5.83 J6.83 U16.13
/ISA-IDE/ISA-LA23: J4.82 J5.82 J6.82 U16.12
/ISA-IDE/ISA-MASTER: J4.79 J5.79 J6.79 U17.19
/ISA-IDE/ISA-OSC: J4.30 J5.30 J6.30 X5.5
/ISA-IDE/ISA-RESET: IDE0.1 J4.2 J5.2 J6.2 U17.17
/ISA-IDE/ISA-SBHE: J4.81 J5.81 J6.81 U17.18
/ISA-IDE/~{IDE-CS1}: IDE0.37 U17.40
/ISA-IDE/~{IDE-CS3}: IDE0.38 U17.41
/ISA-IDE/~{IDE-CS}: U17.16 U18.19
/ISA-IDE/~{ISA-IOCS16}: IDE0.32 J4.64 J5.64 J6.64 U17.36
/ISA-IDE/~{ISA-IOR}: IDE0.25 J4.14 J5.14 J6.14 U17.21
/ISA-IDE/~{ISA-IOW}: IDE0.23 J4.13 J5.13 J6.13 U17.24
/ISA-IDE/~{ISA-MEMCS16}: J4.63 J5.63 J6.63 U17.37
/ISA-IDE/~{ISA-MEMR}: J4.12 J4.89 J5.12 J5.89 J6.12 J6.89 U17.25
/ISA-IDE/~{ISA-MEMW}: J4.11 J4.90 J5.11 J5.90 J6.11 J6.90 U17.26
/ISA-IDE/~{ISA-XFER8}: U10.19 U17.5
/ISA-IDE/~{ISA-XFER16}: U11.19 U12.19 U17.4
/Keyboard/PS2-CLK: J13.5 U24.7
/Keyboard/PS2-DAT: J13.1 U24.8
/Keyboard/PS2-DEB-Rx: U24.2
/Keyboard/PS2-DEB-Tx: U24.3
/Main-Memory/MEM-A0: R31.1 RAMC1.12
/Main-Memory/MEM-A0R: R31.2 U2.12 U8.12
/Main-Memory/MEM-A1: R32.1 RAMC1.15
/Main-Memory/MEM-A1R: R32.2 U2.13 U8.13
/Main-Memory/MEM-A2: R33.1 RAMC1.17
/Main-Memory/MEM-A2R: R33.2 U2.14 U8.14
/Main-Memory/MEM-A3: R34.1 RAMC1.16
/Main-Memory/MEM-A3R: R34.2 U2.15 U8.15
/Main-Memory/MEM-A4: R35.1 RAMC1.18
/Main-Memory/MEM-A4R: R35.2 U2.16 U8.16
/Main-Memory/MEM-A5: R36.1 RAMC1.21
/Main-Memory/MEM-A5R: R36.2 U2.17 U8.17
/Main-Memory/MEM-A6: R37.1 RAMC1.20
/Main-Memory/MEM-A6R: R37.2 U2.18 U8.18
/Main-Memory/MEM-A7: R39.1 RAMC1.24
/Main-Memory/MEM-A7R: R39.2 U2.28 U8.28
/Main-Memory/MEM-A8: R41.1 RAMC1.27
/Main-Memory/MEM-A8R: R41.2 U2.31 U8.31
/Main-Memory/MEM-A9: R42.1 RAMC1.28
/Main-Memory/MEM-A9R: R42.2 U2.32 U8.32
/Main-Memory/MEM-A10: R38.1 RAMC1.22
/Main-Memory/MEM-A10R: R38.2 U2.19 U8.19
/Main-Memory/MEM-A11: R40.1 RAMC1.25
/Main-Memory/MEM-A11R: R40.2 U2.29 U8.29
/Main-Memory/MEM-D0: U2.2 U4.2 U8.2
/Main-Memory/MEM-D1: U2.4 U4.3 U8.4
/Main-Memory/MEM-D2: U2.6 U4.4 U8.6
/Main-Memory/MEM-D3: U2.8 U4.5 U8.8
/Main-Memory/MEM-D4: U2.20 U4.6 U8.20
/Main-Memory/MEM-D5: U2.22 U4.7 U8.22
/Main-Memory/MEM-D6: U2.24 U4.8 U8.24
/Main-Memory/MEM-D7: U2.26 U4.9 U8.26
/Main-Memory/MEM-D8: U2.49 U5.2 U8.49
/Main-Memory/MEM-D9: U2.51 U5.3 U8.51
/Main-Memory/MEM-D10: U2.53 U5.4 U8.53
/Main-Memory/MEM-D11: U2.55 U5.5 U8.55
/Main-Memory/MEM-D12: U2.57 U5.6 U8.57
/Main-Memory/MEM-D13: U2.61 U5.7 U8.61
/Main-Memory/MEM-D14: U2.63 U5.8 U8.63
/Main-Memory/MEM-D15: U2.65 U5.9 U8.65
/Main-Memory/MEM-D16: U2.3 U6.2 U8.3
/Main-Memory/MEM-D17: U2.5 U6.3 U8.5
/Main-Memory/MEM-D18: U2.7 U6.4 U8.7
/Main-Memory/MEM-D19: U2.9 U6.5 U8.9
/Main-Memory/MEM-D20: U2.21 U6.6 U8.21
/Main-Memory/MEM-D21: U2.23 U6.7 U8.23
/Main-Memory/MEM-D22: U2.25 U6.8 U8.25
/Main-Memory/MEM-D23: U2.27 U6.9 U8.27
/Main-Memory/MEM-D24: U2.50 U7.2 U8.50
/Main-Memory/MEM-D25: U2.52 U7.3 U8.52
/Main-Memory/MEM-D26: U2.54 U7.4 U8.54
/Main-Memory/MEM-D27: U2.56 U7.5 U8.56
/Main-Memory/MEM-D28: U2.58 U7.6 U8.58
/Main-Memory/MEM-D29: U2.60 U7.7 U8.60
/Main-Memory/MEM-D30: U2.62 U7.8 U8.62
/Main-Memory/MEM-D31: U2.64 U7.9 U8.64
/Main-Memory/~{MEM-CAS0R}: R48.2 U2.40 U8.40
/Main-Memory/~{MEM-CAS0}: R50.1 RAMC1.35
/Main-Memory/~{MEM-CAS1R}: R51.2 U2.43 U8.43
/Main-Memory/~{MEM-CAS1}: R51.1 RAMC1.37
/Main-Memory/~{MEM-CAS2R}: R49.2 U2.41 U8.41
/Main-Memory/~{MEM-CAS2}: R48.1 RAMC1.33
/Main-Memory/~{MEM-CAS3R}: R50.2 U2.42 U8.42
/Main-Memory/~{MEM-CAS3}: R49.1 RAMC1.36
/Main-Memory/~{MEM-RAS0R}: R46.2 U2.34 U2.44
/Main-Memory/~{MEM-RAS0}: R46.1 RAMC1.34
/Main-Memory/~{MEM-RAS1R}: R45.2 U2.33 U2.45
/Main-Memory/~{MEM-RAS1}: R45.1 RAMC1.31
/Main-Memory/~{MEM-RAS2R}: R44.2 U8.34 U8.44
